# Altium PCB ctrl_boardV1.2.PcbDoc (part 1 of 3)
Units mm, origin at the board's own origin, x right, y up, seen from the top; angles counter-clockwise.
Board outline 212 x 85 mm, 2 copper layers (Top Layer, Bottom Layer); 255 components, 141 nets, 739 pads, 2246 vias.
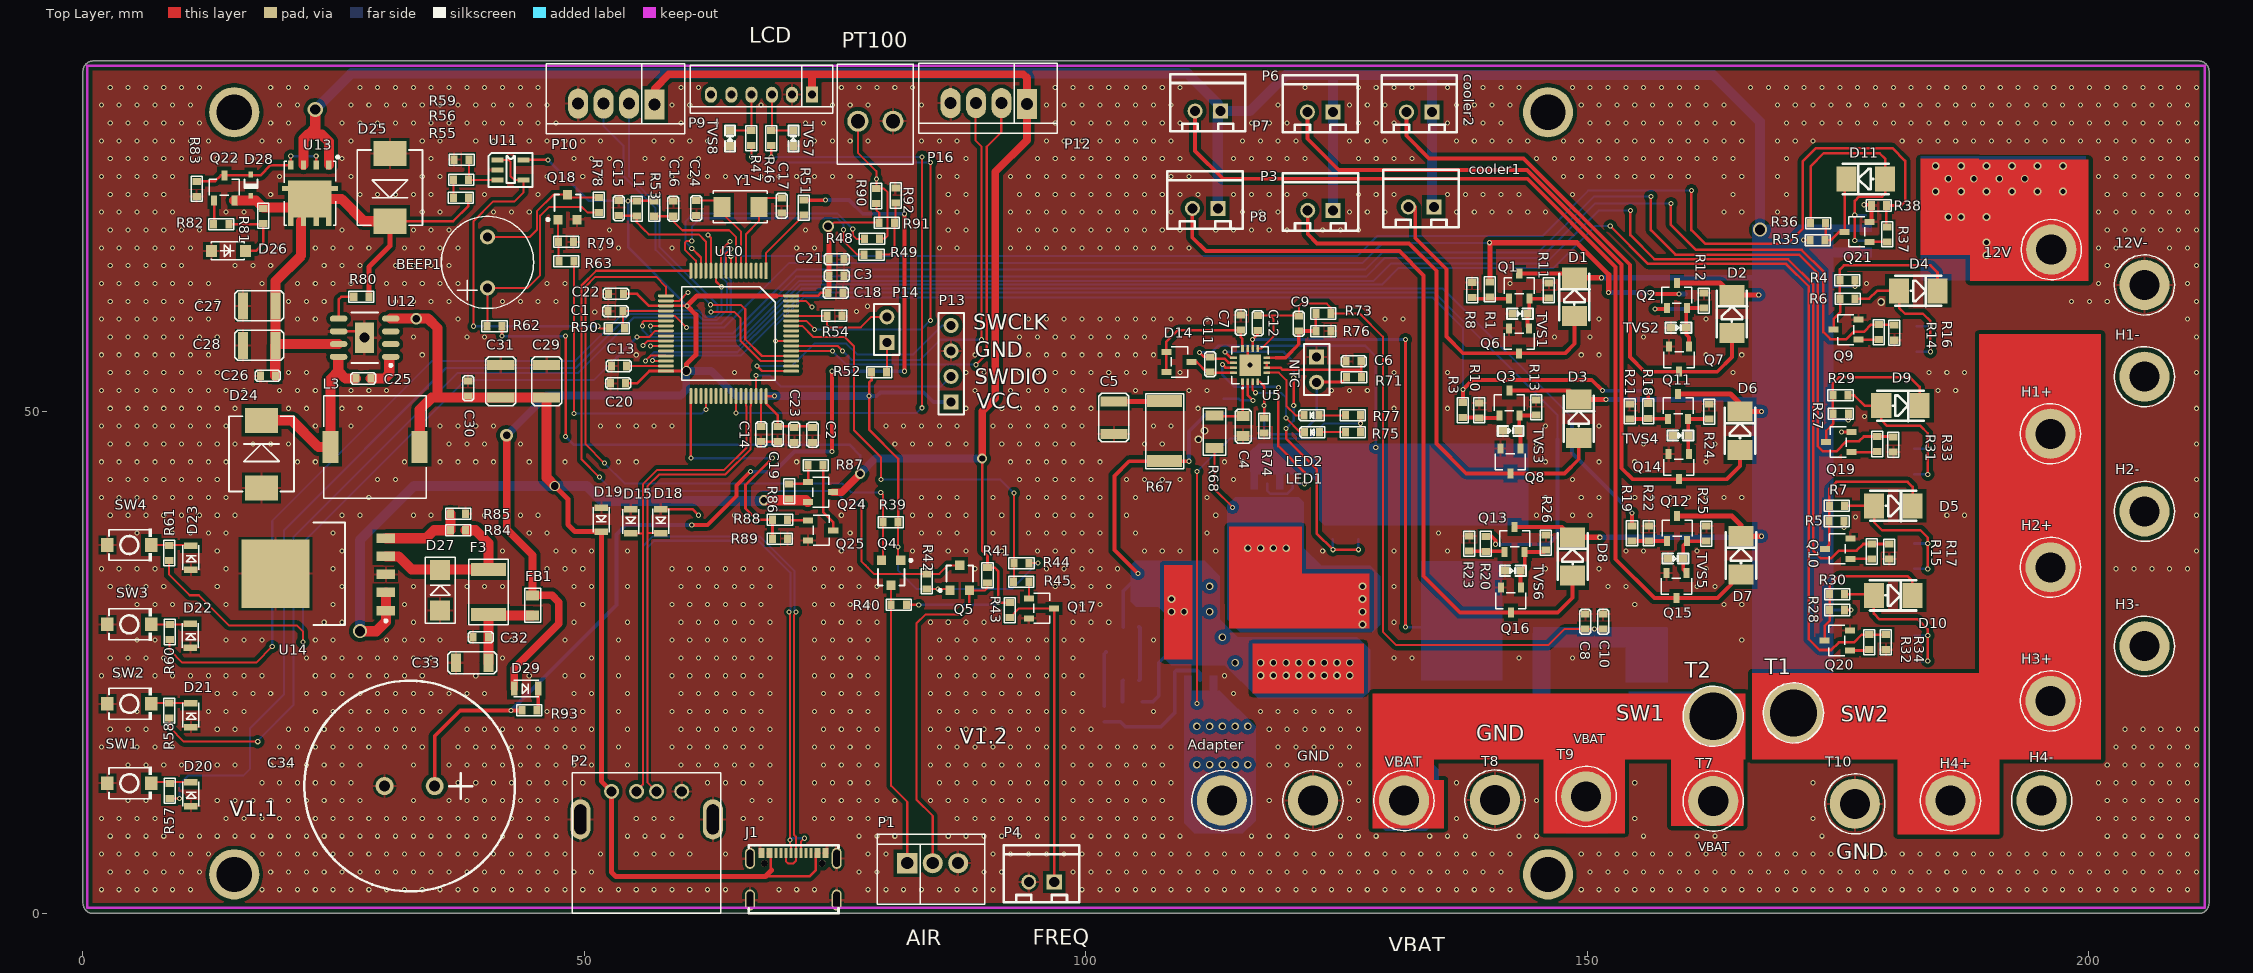
[diagram p0: Top Layer view]
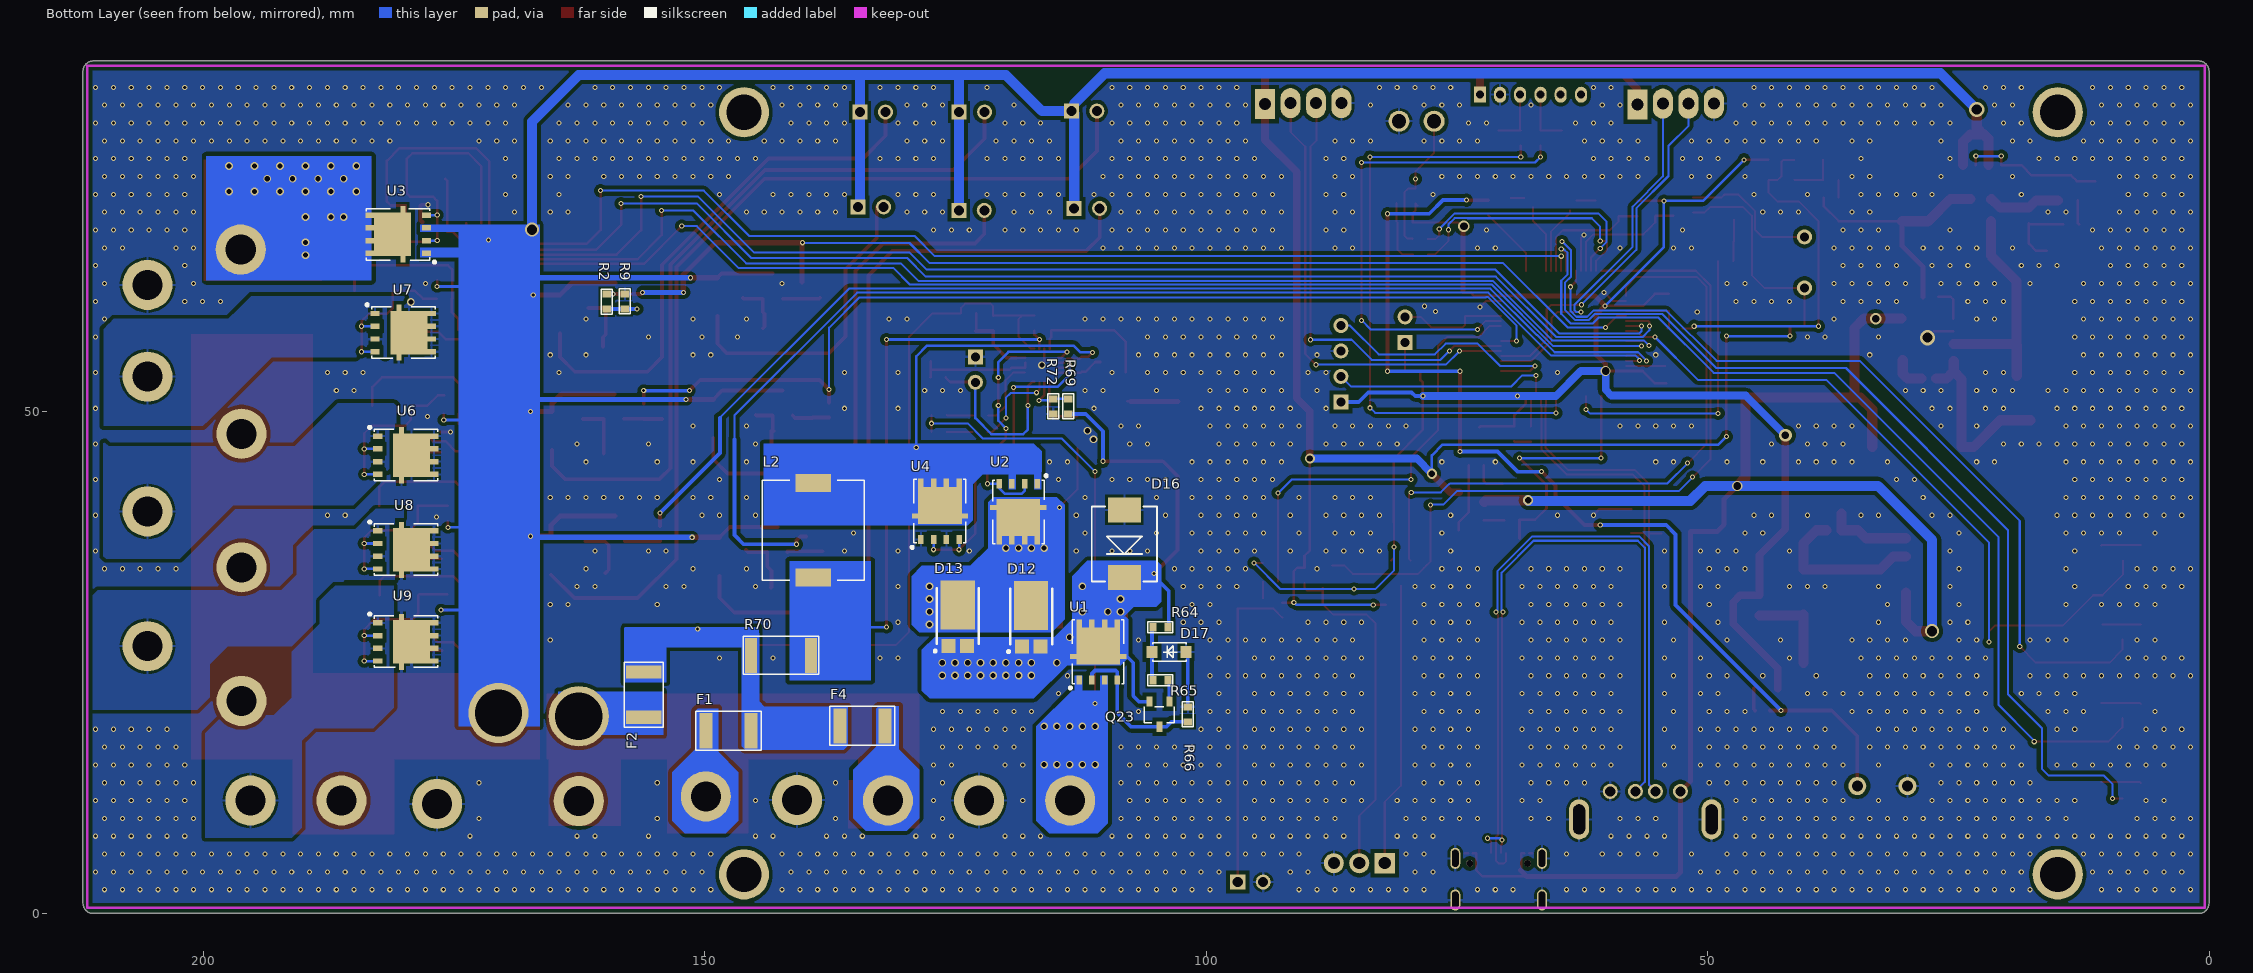
[diagram p1: Bottom Layer view, seen from below]

## Layer stack, top to bottom
Top Solder: solder mask 0.0102, Solder Resist, Dk 3.5
Top Layer: signal copper 0.0356
Dielectric1: dielectric 0.32, FR-4, Dk 4.8
Bottom Layer: signal copper 0.0356
Bottom Solder: solder mask 0.0102, Solder Resist, Dk 3.5

## Board outline
0,1 ccw(c1,1) 1,0 211,0 ccw(c211,1) 212,1 212,84 ccw(c211,84) 211,85 1,85 ccw(c1,84) 0,84

## Design rules (kind name [scope] priority, off if disabled: settings)
Clearance Clearance_2 [InNet('USB_P')] p1: gap=0.254 ignorepadtopadclearanceinfootprint=FALSE
Clearance Clearance_1 [InPolygon] p2: gap=0.381 ignorepadtopadclearanceinfootprint=FALSE
Clearance [All] p3: gap=0.127 ignorepadtopadclearanceinfootprint=FALSE
DiffPairsRouting [All] p1: maxlimit=1.27 minlimit=0.203 mostfreqgap=0.203 toplayer_minwidth=0.203 toplayer_maxwidth=0.381 toplayer_prefwidth=0.381 bottomlayer_minwidth=0.203 bottomlayer_maxwidth=0.381 bottomlayer_prefwidth=0.381 maxuncoupledlength=12.7
MinimumSolderMaskSliver [All] p1: minsoldermaskwidth=0.127
PolygonConnect PolygonConnect_1 [IsVia] p1: connectstyle=Direct reliefconductorwidth=0.254 reliefentries=4 polygonreliefangle="90 Angle" airgapwidth=0.254
PolygonConnect [All] p2: connectstyle=Relief reliefconductorwidth=0.254 reliefentries=4 polygonreliefangle="90 Angle" airgapwidth=0.254
RoutingVias [All] p1: holewidth=0.711 width=1.27 viastyle="Through Hole" minholewidth=0.305 minwidth=0.508 maxholewidth=0.711 maxwidth=1.27
SilkToSolderMaskClearance SilkscreenOverComponentPads [IsPad] p1: minsilkscreentomaskgap=0.025 clearancetoexposedcopper=TRUE
SolderMaskExpansion [All] p1: expansion=0.102 istentingtop=FALSE
Width [All] p1: maxlimit=5.08 minlimit=0.127 preferedwidth=0.254
27 further rules are at their usual default settings.

## Classes and differential pairs
component class charger: Adapter C4 C5 C6 C7 C8 C9 C10 C11 C12 D12 D13 D14 D16 D17 F1 F2 F4 GND L2 LED1 LED2 NTC Q23 R64 R65 R66 R67 R68 R69 R70 R71 R72 R73 R74 R75 R76 R77 SW1 T1 T7 T8 T9 T10 U1 U2 U4 U5 VBAT
component class charge_drv: 12V 12V- cooler1 cooler2 D1 D2 D3 D4 D5 D6 D7 D8 D9 D10 D11 H1+ H1- H2+ H2- H3+ H3- H4+ H4- P3 P6 P7 P8 Q1 Q2 Q3 Q6 Q7 Q8 Q9 Q10 Q11 Q12 Q13 Q14 Q15 Q16 Q19 Q20 Q21 R1 R2 R3 R4 R5 R6 R7 R8 R9 R10 R11 R12 R13 R14 R15 R16 R17 R18 R19 R20 R21 R22 R23 R24 R25 R26 R27 R28 R29 R30 R31 R32 R33 R34 R35 R36 R37 R38 TVS1 TVS2 TVS3 TVS4 TVS5 TVS6 U3 U6 U7 U8 U9
component class pt100: P16 R90 R91 R92
component class cpu: C1 C2 C3 C13 C14 C15 C16 C17 C18 C19 C20 C21 C22 C23 C24 C34 D20 D21 D22 D23 D29 FB1 L1 P13 P14 R48 R49 R50 R51 R52 R53 R54 R55 R56 R57 R58 R59 R60 R61 R93 SW1 SW2 SW3 SW4 U10 U11 Y1
component class drv: BEEP1 Q18 R62 R63 R78 R79
component class power: C25 C26 C27 C28 C29 C30 C31 C32 C33 D24 D25 D26 D27 D28 F3 L3 Q22 Q24 Q25 R80 R81 R82 R83 R84 R85 R86 R87 R88 R89 U12 U13 U14
component class connector: D15 D18 D19 J1 P1 P2 P4 P9 P10 P12 Q4 Q5 Q17 R39 R40 R41 R42 R43 R44 R45 R46 R47 TVS7 TVS8
differential pair USB: +USB_P -USB_N

## Components (designator, comment, footprint, x,y, rotation, side; value= is the part's Value field where it differs from the comment)
12V "12V" FIX-4.5#1 196.27,66.196 r0 top locked
12V- "12V-" FIX-4.5#1 205.566,62.666 r0 top locked
Adapter "12V" FIX-4.5#1 113.567,11.256 r0 top locked
BEEP1 "BEEP-9.5X5.5" BEEP-9.5X5.5 40.335,64.922 r90 top
C1 "0.1uF/50V/X5R" 0603C 52.349,60.046 r0 top
C2 "1uF/50V/X5R" 0603C 72.746,46.965 r90 top
C3 "0.1uF/50V/X5R" 0603C 75.895,63.602 r180 top
C4 "1uF/50V/X5R" 0805C 115.675,49.585 r270 top
C5 "2.2uF/25V" 1210C 102.798,51.058 r270 top
C6 "1uF/50V/X5R" 0603C 125.964,55.046 r0 top
C7 "1uF/50V/X5R" 0603C 115.447,58.17 r90 top
C8 "10uF/25V" 0603C 149.813,29.849 r270 top
C9 "22pF/50V" 0603C 121.238,58.068 r90 top
C10 "10uF/25V" 0603C 151.591,29.849 r270 top
C11 "0.1uF/50V/X5R" 0603C 112.424,55.503 r270 top
C12 "0.1uF/50V/X5R" 0603C 117.123,59.618 r270 top
C13 "0.1uF/50V/X5R" 0603C 52.68,54.585 r0 top
C14 "0.1uF/50V/X5R" 0603C 67.615,47.041 r90 top
C15 "0.1uF/50V/X5R" 0603C 53.416,71.069 r270 top
C16 "0.1uF/50V/X5R" 0603C 58.877,71.018 r270 top
C17 "12P 50V" 0603C 69.672,69.825 r90 top
C18 "1uF/50V/X5R" 0603C 75.794,61.9 r180 top
C19 "0.1uF/50V/X5R" 0603C 69.266,47.066 r90 top
C20 "1uF/50V/X5R" 0603C 52.603,52.857 r0 top
C21 "0.1uF/50V/X5R" 0603C 75.895,65.227 r180 top
C22 "1uF/50V/X5R" 0603C 52.4,61.773 r0 top
C23 "0.1uF/50V/X5R" 0603C 70.942,46.965 r90 top
C24 "12P 50V" 0603C 61.163,69.571 r90 top
C25 "0.01uF/50V" 0603C 27.203,53.34 r0 top
C26 "1uF/50V/X5R" 0603C 17.678,53.594 r0 top
C27 "47uF/25V" 1210C 19.202,60.579 r180 top
C28 "47uF/25V" 1210C 19.202,56.642 r180 top
C29 "22uF/10V" 1210C 46.228,51.435 r90 top
C30 "0.1uF/50V/X5R" 0603C 38.405,51.613 r90 top
C31 "22uF/10V" 1210C 41.656,51.435 r90 top
C32 "0.1uF/50V/X5R" 0603C 38.913,27.559 r0 top value=22nF
C33 "47uF/25V" 1206C 37.186,24.994 r0 top value=22nF
C34 "CEN5R5155CF-ZG" CAP-TH_BD21.0-P5.00-D0.8_CENXXX-CF 32.574,12.7 r180 top
cooler1 "ZX-XH2.54-2PZZ" SIP-2A 133.426,70.46 r180 top
cooler2 "ZX-XH2.54-2PZZ" SIP-2A 133.248,79.908 r180 top
D1 "1N4007" DO-214-AC 148.721,61.472 r90 top
D2 "1N4007" DO-214-AC 164.418,59.77 r90 top
D3 "1N4007" DO-214-AC 149.153,49.331 r90 top
D4 "1N4007" DO-214-AC 183.011,62.081 r0 top
D5 "1N4007" DO-214-AC 180.522,40.644 r0 top
D6 "1N4007" DO-214-AC 165.231,48.137 r90 top
D7 "1N4007" DO-214-AC 165.332,35.691 r90 top
D8 "1N4007" DO-214-AC 148.543,35.589 r90 top
D9 "1N4007" DO-214-AC 181.233,50.626 r0 top
D10 "1N4007" DO-214-AC 180.496,31.703 r0 top
D11 "1N4007" DO-214-AC 177.778,73.232 r180 top
D12 "PDS1040-13" POWERDI-5_L5.4-W4.0-LS6.5-RD 117.453,28.655 r270 bottom
D13 "PDS1040-13" POWERDI-5_L5.4-W4.0-LS6.5-RD 124.769,28.706 r270 bottom
D14 "bat54c" sot23-3 108.039,55.985 r180 top
D15 "CESDB5V0D3" SOD323 54.61,40.284 r270 top
D16 "SMCJ28CA" SMC 108.157,40.237 r270 bottom
D17 "BZT52C27" sod123 102.01,26.064 r0 bottom value=BZT52C12S-7-F
D18 "CESDB5V0D3" SOD323 57.633,40.31 r270 top
D19 "CESDB5V0D3" SOD323 51.689,40.462 r270 top
D20 "CESDB5V0D3" SOD323 10.767,10.701 r90 top
D21 "CESDB5V0D3" SOD323 10.767,18.575 r90 top
D22 "CESDB5V0D3" SOD323 10.716,26.499 r90 top
D23 "CESDB5V0D3" SOD323 10.767,34.272 r90 top
D24 "SS54" SMC 17.805,42.418 r90 top
D25 "SMCJ18CA" SMC 30.607,75.768 r270 top
D26 "BZT52C18" sod123 12.802,66.065 r0 top value=BZT52C12S-7-F
D27 "5.1V" SMA 35.611,30.226 r90 top
D28 "BZT52C12S" DIOD-SOD323-2_V 16.739,72.619 r270 top
D29 "1N4148WS" SOD323 43.002,22.428 r0 top
F1 "1812L300/16GR" 1812-F 149.889,18.216 r180 bottom
F2 "1812L300/16GR" 1812-F 156.083,19.558 r90 bottom
F3 "1812L200/16GR" 1812-F 40.437,34.29 r270 top
F4 "1812L300/16GR" 1812-F 132.033,18.698 r0 bottom
FB1 "JWWBW2012 M600HT" 0805CZ 44.831,29.718 r90 top
GND "GND" FIX-4.5#1 122.649,11.256 r0 top locked
H1+ "12V" FIX-4.5#1 196.193,47.824 r180 top locked
H1- "12V" FIX-4.5#1 205.566,53.522 r270 top locked
H2+ "12V" FIX-4.5#1 196.193,34.505 r270 top locked
H2- "12V" FIX-4.5#1 205.566,40.085 r270 top locked
H3+ "12V" FIX-4.5#1 196.193,21.187 r270 top locked
H3- "12V" FIX-4.5#1 205.566,26.648 r270 top locked
H4+ "12V" FIX-4.5#1 186.222,11.256 r270 top locked
H4- "12V" FIX-4.5#1 195.304,11.256 r270 top locked
J1 "TYPE C_16P" TYPEC_16P 70.841,1.727 r0 top
L1 "MPZ1608D101BTA00" 0603R 55.22,69.52 r90 top
L2 "SMMS1040-3R3M" MSS1038 139.17,42.904 r270 bottom
L3 "CDRH105NP-100NC" CDRH105 24.028,41.402 r90 top
LED1 "发光二极管" 0603LED 123.307,47.99 r180 top
LED2 "发光二极管" 0603LED 123.256,49.666 r180 top
NTC "NCP18XH103F03RB" HDR1X2 123.016,55.503 r270 top
P1 "XH-3A" 3X2.54MMZ 82.194,5.004 r0 top
P2 "USB-A" USB-A 52.706,12.173 r0 top
P3 "ZX-XH2.54-2PZZ" SIP-2A 123.397,70.108 r180 top
P4 "ZX-XH2.54-2PZZ" SIP-2A 95.58,3.124 r180 top
P6 "ZX-XH2.54-2PZZ" SIP-2A 123.368,79.908 r180 top
P7 "ZX-XH2.54-2PZZ" SIP-2A 112.166,80.01 r180 top
P8 "ZX-XH2.54-2PZZ" SIP-2A 111.887,70.307 r180 top
P9 "2.0-6P ZZDK" 6X2MMZ 72.695,81.636 r180 top
P10 "ZX-XH2.54-5PZZ" 4X2.54MMZ 56.998,80.645 r180 top
P12 "ZX-XH2.54-5PZZ" 4X2.54MMZ 94.132,80.696 r180 top
P13 "KH-2.54PH180-1X5P-L11.5" HDR1X4 86.563,51.003 r90 top
P14 "PZ254V-11-02P" HDR1X2 80.162,56.947 r90 top
P16 "KF250NH-3.5-2P" KF250NH-3.5-2P 80.772,78.994 r180 top value="Header 2"
Q1 "BC817-16" SOT23-3 142.218,61.294 r270 top
Q2 "BC817-16" SOT23-3 157.941,60.354 r270 top
Q3 "BC817-16" SOT23-3 141.228,49.635 r270 top
Q4 "AO3400" SOT-23 80.594,33.96 r180 top
Q5 "AO3400" SOT-23 87.427,33.452 r0 top
Q6 "AO3400" SOT23-3 144.2,58.348 r90 top
Q7 "AO3400" SOT23-3 160.151,56.519 r90 top
Q8 "AO3400" SOT23-3 143.336,46.359 r90 top
Q9 "S8050" SOT23-3 177.067,57.205 r0 top
Q10 "S8050" SOT23-3 176.229,35.361 r0 top
Q11 "BC817-16" SOT23-3 158.068,49.305 r270 top
Q12 "BC817-16" SOT23-3 157.966,37.113 r270 top
Q13 "BC817-16" SOT23-3 141.761,36.046 r270 top
Q14 "AO3400" SOT23-3 160.125,45.8 r90 top
Q15 "AO3400" SOT23-3 159.897,33.938 r90 top
Q16 "AO3400" SOT23-3 143.387,32.49 r90 top
Q17 "AO3400" SOT23-3 94.31,31.42 r180 top
Q18 "LH8050QLT1G" SOT-23 48.311,70.434 r0 top
Q19 "S8050" SOT23-3 176.331,46.003 r0 top
Q20 "S8050" SOT23-3 176.178,26.217 r0 top
Q21 "S8050" SOT23-3 178.159,66.958 r0 top
Q22 "MMBT4403-7-F" SOT23-3 13.088,71.095 r270 top
Q23 "MMBT4403-7-F" SOT23-3 103.661,21.111 r90 bottom
Q24 "SI2301" SOT23-3 72.288,43.002 r180 top
Q25 "S8050" SOT23-3 72.314,39.192 r180 top
R1 "100" 0603R 140.288,61.472 r90 top
R2 "100" 0603R 159.77,60.251 r90 bottom
R3 "100" 0603R 137.604,49.44 r90 top
R4 "10K" 0603R 175.188,63.148 r0 top
R5 "10K" 0603R 174.121,39.12 r0 top
R6 "100" 0603R 175.213,61.294 r0 top
R7 "100" 0603R 174.146,40.644 r0 top
R8 "10K" 0603R 138.51,62.894 r270 top
R9 "10K" 0603R 157.966,61.778 r270 bottom
R10 "10K" 0603R 139.23,50.913 r270 top
R11 "10K" 0603R 146.181,61.37 r90 top
R12 "10K" 0603R 161.624,60.354 r90 top
R13 "10K" 0603R 144.911,49.712 r90 top
R14 "1k/1%" 0603R 179.074,57.205 r90 top
R15 "1k/1%" 0603R 178.388,35.335 r90 top
R16 "1k/1%" 0603R 180.623,58.652 r270 top
R17 "1k/1%" 0603R 180.115,36.834 r270 top
R18 "100" 0603R 156.087,49.331 r90 top
R19 "100" 0603R 154.461,37.139 r90 top
R20 "100" 0603R 139.882,36.097 r90 top
R21 "10K" 0603R 154.233,50.804 r270 top
R22 "10K" 0603R 156.138,38.637 r270 top
R23 "10K" 0603R 138.256,37.621 r270 top
R24 "10K" 0603R 162.157,49.28 r90 top
R25 "10K" 0603R 161.878,37.113 r90 top
R26 "10K" 0603R 145.876,36.224 r90 top
R27 "10K" 0603R 174.527,49.839 r0 top
R28 "10K" 0603R 174.172,30.255 r0 top
R29 "100" 0603R 174.502,51.667 r0 top
R30 "100" 0603R 174.172,31.805 r0 top
R31 "1k/1%" 0603R 178.896,46.054 r90 top
R32 "1k/1%" 0603R 178.109,26.293 r90 top
R33 "1k/1%" 0603R 180.522,47.502 r270 top
R34 "1k/1%" 0603R 179.785,27.791 r270 top
R35 "10K" 0603R 173.714,67.136 r180 top
R36 "100" 0603R 173.765,68.838 r180 top
R37 "1k/1%" 0603R 179.912,66.958 r90 top
R38 "10K" 0603R 179.836,70.59 r180 top
R39 "10K" 0603r 79.781,38.989 r0 top
R40 "10K" 0603r 80.594,30.759 r0 top
R41 "10K" 0603r 90.195,32.969 r90 top
R42 "10K" 0603r 84.15,32.36 r90 top
R43 "10K" 0603R 92.405,29.489 r90 top
R44 "1k/1%" 0603R 94.336,34.925 r180 top
R45 "1k/1%" 0603R 94.31,33.071 r180 top
R46 "100" 0603R 68.631,78.054 r270 top
R47 "100" 0603R 66.65,78.054 r270 top
R48 "49.9" 0603R 79.426,67.259 r180 top
R49 "49.9" 0603R 79.375,65.684 r180 top
R50 "49.9" 0603R 52.476,58.344 r0 top
R51 "0" 0603R 71.882,71.12 r270 top
R52 "10K" 0603R 80.137,53.975 r180 top
R53 "10K" 0603R 56.972,71.018 r270 top
R54 "10K" 0603R 74.168,59.588 r0 top
R55 "100K/1%" 0603R 38.43,71.374 r180 top
R56 "100K/1%" 0603R 36.957,73.152 r0 top
R57 "1k/1%" 0603R 8.633,12.961 r270 top value=1K
R58 "1k/1%" 0603R 8.608,20.975 r270 top value=1K
R59 "20K" 0603R 38.506,75.159 r180 top
R60 "1k/1%" 0603R 8.633,28.811 r270 top value=1K
R61 "1k/1%" 0603R 8.582,36.685 r270 top value=1K
R62 "51R" 0603R 40.284,58.547 r0 top
R63 "4.7K" 0603R 48.946,65.049 r180 top
R64 "100K/1%" 0603R 105.312,28.553 r180 bottom value=100k
R65 "1k/1%" 0603R 105.312,23.245 r180 bottom
R66 "10k" 0603R 101.832,19.105 r90 bottom
R67 "2/1W" 2512R 107.852,45.089 r90 top
R68 "10/1/4W" 1206R 112.831,46.41 r90 top
R69 "215k/1%" 0603R 113.762,49.802 r90 bottom
R70 "5mR" 2512R 139.399,25.734 r0 bottom
R71 "5.23K/1%" 0603R 127.488,53.445 r180 top
R72 "11.8K/1%/25.5K/1%" 0603R 115.269,51.312 r270 bottom
R73 "698K/1%" 0603R 124.438,59.821 r180 top
R74 "30.1K/1%" 0603R 117.784,49.381 r270 top
R75 "1k/1%" 0603R 125.872,47.99 r0 top
R76 "100K/1%" 0603R 122.94,58.059 r0 top
R77 "1k/1%" 0603R 125.886,49.686 r0 top
R78 "1k/1%" 0603R 51.435,71.399 r270 top
R79 "47K" 0603R 47.422,66.954 r0 top
R80 "100K/1%" 0603R 27,61.468 r0 top
R81 "100K/1%" 0603R 17.958,68.809 r90 top value=100k
R82 "1k/1%" 0603R 14.538,68.707 r180 top
R83 "10k" 0603R 11.328,72.999 r270 top
R84 "120K/1%" 0603R 38.151,38.202 r180 top
R85 "71.5K/1%" 0603R 38.151,39.853 r180 top
R86 "100K/1%" 0603R 70.409,42.824 r270 top
R87 "1k/1%" 0603R 73.812,44.679 r180 top
R88 "1k/1%" 0603R 70.256,39.268 r180 top
R89 "10K" 0603R 68.732,37.363 r0 top
R90 "2K/1%" 0603R 79.121,72.288 r270 top
R91 "2K/1%" 0603R 80.899,68.885 r180 top
R92 "75" 0603R 81.026,72.339 r270 top
R93 "1k/1%" 0603R 45.263,20.244 r180 top value=49.9
SW1 "SW PUSHBUTTON" SW-SMD_L3.9-W3.0-P4.45 4.62,12.987 r0 top
SW2 "SW PUSHBUTTON" SW-SMD_L3.9-W3.0-P4.45 4.62,20.903 r0 top
SW3 "SW PUSHBUTTON" SW-SMD_L3.9-W3.0-P4.45 4.62,28.819 r0 top
SW4 "SW PUSHBUTTON" SW-SMD_L3.9-W3.0-P4.45 4.62,36.736 r0 top
T1 "12V" FIX-4.5#2 170.561,19.99 r0 top
T2 "12V" FIX-4.5#2 162.56,19.66 r0 top
T7 "12V" FIX-4.5#1 162.56,11.201 r0 top
T8 "GND" FIX-4.5#1 140.796,11.307 r0 top
T9 "12V" FIX-4.5#1 149.889,11.662 r0 top
T10 "GND" FIX-4.5#1 176.682,10.922 r0 top
TVS1 "ESD5Z5.0CT1G" SOD-523 143.285,59.795 r0 top
TVS2 "ESD5Z5.0CT1G" SOD-523 159.109,58.398 r0 top
TVS3 "ESD5Z5.0CT1G" SOD-523 142.371,48.111 r0 top
TVS4 "ESD5Z5.0CT1G" SOD-523 159.313,47.654 r0 top
TVS5 "ESD5Z5.0CT1G" SOD-523 158.805,35.386 r0 top
TVS6 "ESD5Z5.0CT1G" SOD-523 142.574,34.167 r0 top
TVS7 "ESD5Z5.0CT1G" SOD-523 70.841,77.292 r90 top
TVS8 "ESD5Z5.0CT1G" SOD-523 64.516,77.292 r90 top
U1 "Si7997DP" "PowerPAK SO-8" 113.339,22.33 r90 bottom
U2 "Si7288DP" "PowerPAK SO-8" 116.158,43.793 r270 bottom
U3 "Si7997DP" "PowerPAK SO-8" 176.813,65.155 r0 bottom
U4 "Si7288DP" "PowerPAK SO-8" 129.112,36.351 r90 bottom
U5 "BQ24650RVAR" VQFN-16_L3.6-W3.6-P0.50-BL-EP 116.387,54.665 r0 top
U6 "Si7997DP" "PowerPAK SO-8" 183.557,48.259 r180 bottom
U7 "Si7997DP" "PowerPAK SO-8" 183.811,60.487 r180 bottom
U8 "Si7997DP" "PowerPAK SO-8" 183.557,38.825 r180 bottom
U9 "Si7997DP" "PowerPAK SO-8" 183.557,29.646 r180 bottom
U10 "STM32F405RGT6" LQFP-64 68.123,64.084 r270 top
U11 "AD8615AUJZ-R2" sot-23-5 42.647,74.143 r0 top
U12 "LM22676MRE-5.0/NOPB" SOP127P600X168_HS-8N 28.092,57.404 r180 top
U13 "Si7997DP" "PowerPAK SO-8" 25.197,75.565 r270 top
U14 "MIC29302" TO228P1435X457-6N 30.201,30.201 r180 top
VBAT "12V" FIX-4.5#1 131.731,11.256 r180 top locked
Y1 "XG1SI-111-8M" CRAY_5032 63.703,70.46 r0 top

## Footprints (in the part's own frame and the unit in brackets; to place one, negate y for a bottom-side part, rotate by r counter-clockwise, add the part's x,y. Pads: shape width x height; smd on the part's side, far side on the other; paste and mask are expansions set on the pad)
3X2.54MMZ [mm]
  rect 2x2 hole 1.2: 1(0,0)
  round 2 hole 1.2: 2(2.54,0) 3(5.08,0)
  silkscreen extent -3,-4.1 7.75,2.9
4X2.54MMZ [mm]
  rect 2x3 hole 1.2: 1(0,0)
  oval 2x3 hole 1.2: 2(2.54,-0.1) 3(5.08,-0.1) 4(7.62,-0.1)
  silkscreen extent -3,-4.1 10.79,2.9
6X2MMZ [mm]
  rect 1.2x1.6 hole 0.8: 1(0,0)
  oval 1.2x1.6 hole 0.8: 2(2,0) 3(4,0) 4(6.05,0) 5(8.05,0) 6(10.08,0)
  silkscreen extent -2.05,-2.95 12.12,1.85
0603C [mm]
  rect 0.7x0.85 smd: 1(0,0) 2(1.5,0)
  silkscreen extent -0.5,-0.55 2,0.55
0603LED [mm]
  rect 0.7x0.85 smd: 1(0,0) 2(1.5,0)
  silkscreen extent -0.5,-0.55 2,0.55
0603R [mm]
  rect 0.7x0.85 smd: 1(0,0) 2(1.5,0)
  silkscreen extent -0.5,-0.55 2,0.55
0603r [mm]
  rect 0.7x0.85 smd: 1(0,0) 2(1.5,0)
  silkscreen extent -0.5,-0.55 2,0.55
0805C [mm]
  rect 1x1.3 smd: 1(0,0) 2(2,0)
  silkscreen extent -0.7,-0.8 2.7,0.8
0805CZ [mm]
  rect 1x1.3 smd: 1(0,0) 2(2,0)
  silkscreen extent -0.7,-0.8 2.7,0.8
1206C [mm]
  rect 1x1.8 smd: 1(0,0) 2(3.25,0)
  silkscreen extent -0.8,-1.1 4.05,1.1
1206R [mm]
  rect 1x1.8 smd: 1(0,0) 2(3.25,0)
  silkscreen extent -0.7,-1.1 3.95,1.1
1210C [mm]
  rect 1x2.7 smd: 1(0,0) 2(3.25,0)
  silkscreen extent -0.8,-1.5 4.05,1.5
1812-F [mm]
  rect 1.3x3.5 smd: 1(0,0) 2(4.5,0)
  silkscreen extent -1,-1.95 5.5,1.95
2512R [mm]
  rect 1.2x3.5 smd: 1(0,0) 2(6,0)
  silkscreen extent -0.75,-1.9 6.75,1.9
BEEP-9.5X5.5 [mm]
  round 1.5 hole 0.9: 1(-2.54,0) 2(2.54,0)
  silkscreen extent -4.6,-4.6 4.6,4.6
CAP-TH_BD21.0-P5.00-D0.8_CENXXX-CF [mm]
  round 1.8 hole 1.1 paste-2539.97 mask+0.05: 1(-2.5,0) 2(2.5,0)
  silkscreen extent -10.5,-10.5 10.5,10.5
CDRH105 [mm]
  rect 3.2x1.6 smd: 1(5.1,-0.65) 2(5.1,-9.55)
  silkscreen extent 0,-10.2 10.2,0
CRAY_5032 [mm]
  rect 1.7x2 smd: 1(0,0) 2(3.7,0)
  silkscreen extent -0.86,-1.6 4.55,1.6
DIOD-SOD323-2_V [mm] "SOD-323, 2-Leads, Body 1.7x1.3mm, Lead Span 2.5mm"
  rect 0.59x0.45 smd: 1(-1.055,0) 2(1.055,0)
  silkscreen extent -0.56,-0.65 0.26,0.65, body extent -1.21,-0.65 1.31,0.65, height 1.13
DO-214-AC [mm]
  rect 2x2.5 smd: 1(-1.915,0) 2(1.915,0)
  silkscreen extent -2.3,-1.52 2.3,1.5, body extent -2.3,-1.35 2.3,1.35, height 2.4
FIX-4.5#1 [mm]
  round 5 hole 3: 1(0,0)
  silkscreen extent -3,-3 3,3
FIX-4.5#2 [mm]
  round 6 hole 4.7: 1(0,0)
  silkscreen extent -3,-3 3,3
HDR1X2 [mm] "Connector; Header; 2 Position"
  rect 1.5x1.5 hole 0.9: 1(0,0)
  round 1.5 hole 0.9: 2(2.54,0)
  silkscreen extent -1.27,-1.27 3.81,1.27
HDR1X4 [mm] "Connector; Header; 4 Position"
  rect 1.5x1.5 hole 0.9: 1(0,0)
  round 1.5 hole 0.9: 2(2.54,0) 3(5.08,0) 4(7.62,0)
  silkscreen extent -1.27,-1.27 8.89,1.27
KF250NH-3.5-2P [mm]
  round 2.1 hole 1.41: 1(0,0) 2(3.5,0)
  silkscreen extent -2.05,-5.71 5.55,4.3
LQFP-64 [mm]
  rect 1.6x0.3 smd: 1(0,0)
  oval 1.6x0.3 smd: 2(0,-0.5) 3(0,-1) 4(0,-1.5) 5(0,-2) 6(0,-2.5) 7(0,-3) 8(0,-3.5) 9(0,-4) 10(0,-4.5) 11(0,-5) 12(0,-5.5) 13(0,-6) 14(0,-6.5) 15(0,-7) 16(0,-7.5) 33(12.5,-7.5) 34(12.5,-7) 35(12.5,-6.5) 36(12.5,-6) 37(12.5,-5.5) 38(12.5,-5) 39(12.5,-4.5) 40(12.5,-4) 41(12.5,-3.5) 42(12.5,-3) 43(12.5,-2.5) 44(12.5,-2) 45(12.5,-1.5) 46(12.5,-1) 47(12.5,-0.5) 48(12.5,0)
  oval 0.3x1.6 smd: 17(2.5,-10) 18(3,-10) 19(3.5,-10) 20(4,-10) 21(4.5,-10) 22(5,-10) 23(5.5,-10) 24(6,-10) 25(6.5,-10) 26(7,-10) 27(7.5,-10) 28(8,-10) 29(8.5,-10) 30(9,-10) 31(9.5,-10) 32(10,-10) 49(10,2.5) 50(9.5,2.5) 51(9,2.5) 52(8.5,2.5) 53(8,2.5) 54(7.5,2.5) 55(7,2.5) 56(6.5,2.5) 57(6,2.5) 58(5.5,2.5) 59(5,2.5) 60(4.5,2.5) 61(4,2.5) 62(3.5,2.5) 63(3,2.5) 64(2.5,2.5)
  silkscreen extent 1.59,-8.41 10.91,0.91
MSS1038 [mm]
  rect 1.78x3.56 smd: 1(0,0) 2(9.4,0)
  silkscreen extent -0.3,-5.11 9.7,5.09
POWERDI-5_L5.4-W4.0-LS6.5-RD [mm]
  rect 1.4x1.4 smd: 1(2.032,-0.92) 2(2.032,0.92)
  rect 4.9x3.4 smd: 3(-2.032,0)
  silkscreen extent -3.7,-2.37 2.67,2.1
"PowerPAK SO-8" [mm]
  rect 0.9x0.54 smd: 1(0.95,-0.67) 2(0.95,-1.94) 3(0.95,-3.21) 4(0.95,-4.48) 5(6.548,-4.48) 6(6.548,-3.21) 7(6.548,-1.94) 8(6.548,-0.67)
  rect 0.5x1.6 smd: 5(3.3,-4.575) 8(3.3,-0.575)
  rect 3.66x2.5 smd: 5(4.325,-3.495)
  rect 3.66x2 smd: 8(4.325,-1.401)
  silkscreen extent 0.03,-5.12 6.93,0.33
SIP-2A [mm]
  rect 1.5x1.5 hole 1: 1(-1.27,0)
  round 1.5 hole 1: 2(1.27,0)
  silkscreen extent -3.75,-3.68 3.75,2.02, body extent -3.7,-3.81 3.7,2.29, height 7.5
SMA [mm]
  rect 2x2 smd: 1(0,0) 2(4,0)
  silkscreen extent -1.3,-1.5 5.3,1.5
SMC [mm]
  rect 2.5x3.3 smd: 1(0,0) 2(6.75,0)
  silkscreen extent -0.35,-3.25 7.15,3.25
sod123 [mm]
  rect 1.1x1.2 smd: 1(0,0) 2(3.385,0)
  silkscreen extent 0,-0.9 3.3,0.9
SOD323 [mm]
  rect 0.65x1.35 smd: 1(0,0) 2(2.4,0)
  silkscreen extent -0.03,-0.8 2.44,0.8
SOD-523 [mil]
  rect 31.5x30 smd: 1(-30,0) 2(30,0)
  silkscreen extent -51,-20 51,20, body extent -31,-16 31,16, height 26
SOP127P600X168_HS-8N [mm] "SOP, 8-Leads, Body 5.0x4.0mm (max), Pitch 1.27mm, IPC Medium Density"
  oval 1.75x0.6 smd: 1(-2.6,1.905) 2(-2.6,0.635) 3(-2.6,-0.635) 4(-2.6,-1.905) 5(2.6,-1.905) 6(2.6,-0.635) 7(2.6,0.635) 8(2.6,1.905)
  rect 1.9x3 smd: 9(0,0)
  silkscreen extent -2.73,-2.5 1.33,2.88, body extent -2,-2.5 2,2.5, height 1.68
sot23-3 [mm]
  rect 1x0.6 smd: 1(0,0) 2(0,2) 3(-2.5,1)
  silkscreen extent -2.1,-0.5 -0.5,2.5
SOT23-3 [mm]
  rect 1x0.6 smd: 1(0,0) 2(0,2) 3(-2.5,1)
  silkscreen extent -2.1,-0.5 -0.5,2.5
SOT-23 [mm] "SOT-23; 3 Leads; Body 3.0 x 2.6 mm, inc. leads (LxW max)"
  rect 0.9x0.95 smd: 1(-0.95,-1.25) 2(0.95,-1.25) 3(0,1.25)
  silkscreen extent -2.08,-1.37 1.3,1.25
sot-23-5 [mm]
  rect 1.2x0.5 smd: 1(-1.3,1) 2(-1.3,0) 3(-1.3,-1) 4(1.3,-1) 5(1.3,1)
  silkscreen extent -2.2,-1.7 2.2,1.7
SW-SMD_L3.9-W3.0-P4.45 [mm]
  rect 1.23x1.36 smd: 1(-2.185,0) 2(2.185,0)
  silkscreen extent -2.03,-1.62 2.25,1.62
TO228P1435X457-6N [mm] "D2-PAK, 6-Pads, Body 8.6x10.2mm (max), IPC Medium Density"
  rect 1.85x0.95 smd: 1(0,0) 2(0,-1.8) 3(0,-3.6) 4(0,-5.4) 5(0,-7.2)
  rect 6.8x6.8 smd: 6(11,-3.671)
  silkscreen extent -0.13,-8.77 7.2,1.43, body extent 4.2,-8.77 12.84,1.43, height 4.57
TYPEC_16P [mm]
  oval 1x2.1 hole 0.65 slot 1.7 at 90 deg: 1(-4.32,-0.391) 1(-4.32,3.759) 1(4.32,-0.391) 1(4.32,3.759)
  round 0.67 hole 0.67: 2(-2.89,3.259) 2(2.89,3.259)
  rect 0.3x1 smd: A1(-3.05,4.293) A4(-2.25,4.293) A5(-1.25,4.293) A6(-0.25,4.293) A7(0.25,4.293) A8(1.25,4.293) A9(2.25,4.293) A12(3.35,4.293) B1(3.05,4.293) B4(2.55,4.293) B5(1.75,4.293) B6(0.75,4.293) B7(-0.75,4.293) B8(-1.75,4.293) B9(-2.55,4.293) B12(-3.35,4.293)
  silkscreen extent -4.44,-1.73 4.49,5.07
USB-A [mm]
  round 1.5 hole 1: 1(0,0) 2(2.5,0) 3(4.5,0) 4(7,0)
  oval 2x4 hole 1.2 slot 3 at 90 deg: 5(-3.1,-2.8) 6(10.1,-2.8)
  silkscreen extent -3.91,-12.17 10.89,1.83
VQFN-16_L3.6-W3.6-P0.50-BL-EP [mm]
  rect 0.28x0.665 smd: 1(-0.75,-1.658) 2(-0.25,-1.658) 3(0.25,-1.658) 4(0.75,-1.658) 9(0.75,1.658) 10(0.25,1.658) 11(-0.25,1.658) 12(-0.75,1.658)
  rect 0.665x0.28 smd: 5(1.658,-0.75) 6(1.658,-0.25) 7(1.658,0.25) 8(1.658,0.75) 13(-1.658,0.75) 14(-1.658,0.25) 15(-1.658,-0.25) 16(-1.658,-0.75)
  rect 2.14x2.14 smd: 17(0,0)
  silkscreen extent -1.83,-2.36 1.83,1.83

## Part data
12V 12V- Adapter GND H1+ H1- H2+ H2- H3+ H3- H4+ H4- T1 T2 T7 T8 T9 T10 VBAT: library part TP
C1 C2 C3 C13 C14 C15 C16 C17 C18 C19 C20 C21 C22 C23 C24: library part CAP4, "贴片电容 20%"
C4 C5 C6 C7 C8 C9 C10 C11 C12 C25 C26 C27 C28 C29 C30 C31: library part CAP, "Capacitor"
C32 C33: library part Cap, "Capacitor", LatestRevisionDate=17-Jul-2002, LatestRevisionNote="Re-released for DXP Platform.", PackageDescription="Radial Cap, Thru-Hole; 2 Leads; 0.3 in Pin Spacing", PackageReference=RAD-0.3, Published=8-Jun-2000, Publisher="Altium Limited"
C34: library part CAP2, "电解电容"
cooler1 cooler2 P3 P4 P6 P7 P8: library part SIP-2, "XH2.54 2P 立贴"
D1 D2 D3 D4 D5 D6 D7 D8 D9 D10 D11: library part DIODE2, "贴片二极管"
D12 D13: Average Rectified Current (Io)=10A, Forward Voltage (Vf@If)=510mV@10A, JLCPCB Part Class="Extended Part", LCSC Part Name="电压:40V 电流:10A", Manufacturer=DIODES(美台), Reverse Voltage (Vr)=40V, Add into BOM=yes, Convert to PCB=yes, Datasheet=https://atta.szlcsc.com/upload/public/pdf/source/20170427/1493286399327.pdf, Device=PDS1040-13, Manufacturer Part=PDS1040-13, Supplier=LCSC, Supplier Footprint=Power-DI-5, Supplier Part=C110512, Symbol=PDS1040-13
D14: library part PDS1040-13, Average Rectified Current (Io)=10A, Forward Voltage (Vf@If)=510mV@10A, JLCPCB Part Class="Extended Part", LCSC Part Name="电压:40V 电流:10A", Manufacturer=DIODES(美台), Reverse Voltage (Vr)=40V, Add into BOM=yes, Convert to PCB=yes, Datasheet=https://atta.szlcsc.com/upload/public/pdf/source/20170427/1493286399327.pdf, Device=PDS1040-13, Manufacturer Part=PDS1040-13, Supplier=LCSC, Supplier Footprint=Power-DI-5, Supplier Part=C110512, Symbol=PDS1040-13
D15 D16 D18 D19 D20 D21 D22 D23 D24 D25 D27: library part "DIODE S", "Schottky Diode"
D17 D26: library part BZT52C12S-7-F, Minimum Operating Temperature=-65C, Package / Case=SOD-323, Package Description="2-Pin Surface Mount Device, Body 1.7 x 1.3 mm", Package Reference=SOD323-2, Pd - Power Dissipation=200mW, Voltage Temperature Coefficient=0.25mV/C, Voltage Tolerance=5%, Vz - Zener Voltage=12V, Zener Current=5mA, Mounting Style=SMD/SMT, Mounting Technology=SurfaceMount, Package URL=http://www.vishay.com/docs/71192/71192.pdf, Packaging=Reel, Product Category=ZenerDiodes, RoHS=True, Series=BZT52C12, Termination Style=SMD/SMT, Unit Weight=0.000173oz, Width=1.4mm, Zz - Zener Impedance=40Ohms
D28: library part BZT52C12S-7-F, "Surface Mount Zener Diode, 12 V, -65 to 150 degC, 2-Pin SOD323, RoHS, Tape and Reel", Manufacturer=DiodesIncorporated, Voltage Temperature Coefficient=0.25mV/C, Voltage Tolerance=5%, Vz - Zener Voltage=12V, Zener Current=5mA, Width=1.4mm, Zz - Zener Impedance=40Ohms
D29: library part DIODE
F1 F2 F3 F4: library part "Fuse 1", "Fuse", LatestRevisionDate=17-Jul-2002, LatestRevisionNote="Re-released for DXP Platform.", PackageDescription="Thru-Hole; 2 Leads", PackageReference=PIN-W2/E2.8, Published=8-Jun-2000, Publisher="Altium Limited"
FB1: library part FB, Part Field 1="磁珠/0603/1K ohm/100MHz", Text Field1=FB
L1: library part CIZHU1, "磁珠电感 100R 100MHz"
L2 L3: library part INDUCTOR
LED1 LED2: library part LED
NTC: library part "Header 2", "XH2.54 2P 立贴", LatestRevisionDate=17-Jul-2002, LatestRevisionNote="Re-released for DXP Platform.", Publisher="Altium Limited"
P1: library part "Header 3", "Header, 3-Pin", LatestRevisionDate=17-Jul-2002, LatestRevisionNote="Re-released for DXP Platform.", Publisher="Altium Limited"
P2 P9: library part "Header 6", "Header, 6-Pin", LatestRevisionDate=17-Jul-2002, LatestRevisionNote="Re-released for DXP Platform.", Publisher="Altium Limited"
P10 P12 P13: library part "Header 4", "Header, 4-Pin", LatestRevisionDate=17-Jul-2002, LatestRevisionNote="Re-released for DXP Platform.", Publisher="Altium Limited"
P14: library part "Header 2", "Header, 2-Pin", LatestRevisionDate=17-Jul-2002, LatestRevisionNote="Re-released for DXP Platform.", Publisher="Altium Limited"
P16: library part "Header 2", Publisher="Altium Limited"
Q1 Q2 Q3 Q11 Q12 Q13: library part NPN-1, "三极管"
Q4 Q5 Q17 Q18: library part NPN-1, "NPN"
Q6 Q7 Q8 Q14 Q15 Q16: library part "MOSFET N", "MOSFET N"
Q9 Q10 Q19 Q20 Q21 Q25: library part NPN, "NPN Bipolar Transistor", Code_JEDEC=TO-226-AA, LatestRevisionDate=17-Jul-2002, LatestRevisionNote="Re-released for DXP Platform.", PackageReference=TO-226, Published=8-Jun-2000, Publisher="Altium Limited"
Q22 Q23: library part OEM_Diodes_MMBT4403
Q24: library part MOSFET-P, "P-Channel MOSFET", LatestRevisionDate=17-Jul-2002, LatestRevisionNote="Re-released for DXP Platform.", PackageReference=E3, PackageVersion=1995/1996, Published=8-Jun-2000, Publisher="Altium Limited"
R1 R2 R3 R6 R7 R8 R9 R10 R11 R12 R13 R18 R19 R20 R21 R22 R23 R24 R25 R26 R29 R30 R36: library part RES-SOP, "贴片电阻 5%"
R4 R5 R14 R15 R16 R17 R27 R28 R31 R32 R33 R34 R35 R37 R38 R43 R44 R45 R48 R49 R50 R55 R56 R59 R67 R68 R69 R70 R71 R72 R73 R74 R76 R80 R86 R87 R88 R89: library part Res1, "Resistor", LatestRevisionDate=17-Jul-2002, LatestRevisionNote="Re-released for DXP Platform.", PackageReference=AXIAL-0.3, Published=8-Jun-2000, Publisher="Altium Limited"
R39 R40 R41 R42: library part R, "贴片电阻 1%"
R46 R47 R51 R52 R53 R54: library part RES2, "贴片电阻 5%"
R57 R58 R60 R61 R93: library part RESISTOR_0, Part Reference=R70, PCB Footprint=R0402, SIGNAL_MODEL=DEFAULT_RESISTOR_200OHM_1_2
R62 R63 R78 R79: library part RES0, "贴片电阻 5%"
R64 R81: library part Resistor_0603, Package=0603, PartNumber=RC0603FR-0716K9L, Power Rating=[power], TempCo=[tempco], Tolerance=tol, SupplierDescription="RES SMD 16.9K OHM 1% 1/10W 0603"
R65 R66 R82 R83: library part Resistor_0603, Package=0603, PartNumber=RC0603FR-071KL, Power Rating=[power], TempCo=[tempco], Tolerance=tol, SupplierDescription="RES SMD 1K OHM 1% 1/10W 0603"
R75 R77 R90 R91 R92: library part R
R84 R85: library part R, "R"
TVS1 TVS2 TVS3 TVS4 TVS5 TVS6 TVS7 TVS8: library part TVS-1, "TVS"
U1 U3 U6 U7 U8 U9 U13: "Sia430DJ"
U2 U4: library part Si7997DP, "Sia430DJ"
U5: JLCPCB Part Class="Extended Part", Manufacturer=TI(德州仪器), Add into BOM=yes, Convert to PCB=yes, Datasheet=https://www.ti.com/cn/lit/gpn/bq24650, Device=BQ24650RVAR, LCSC Part Name=BQ24650RVAR, Manufacturer Part=BQ24650RVAR, Supplier=LCSC, Supplier Footprint=VQFN-16-EP(3.6x3.6), Supplier Part=C53712, Symbol=BQ24650RVAR
U10: library part STM32F405RG, "MCU"
U11: library part AD8615
U12: library part LM22676MR-5.0
Y1: library part XTAL, "晶振"
BEEP1: PCB DECAL=BEEP-9.5X5.5
SW1 SW2 SW3 SW4: Part Reference=SW2, PCB Footprint=KEY_3X6

## Free pads (board coordinates)
  round 5 hole 3.5: 1(15.084,3.888) 1(15.084,79.888) 1(146.084,3.888) 1(146.084,79.888)

## Via types
v1: diameter 0.508, hole 0.305, Top Layer to Bottom Layer, tented both sides, 2167 vias
v2: diameter 0.762, hole 0.508, Top Layer to Bottom Layer, tented both sides, 67 vias
v3: diameter 1.016, hole 0.635, Top Layer to Bottom Layer, tented both sides, 3 vias
v4: diameter 1.016, hole 0.762, Top Layer to Bottom Layer, tented both sides, 2 vias
v5: diameter 1.397, hole 1.016, Top Layer to Bottom Layer, tented both sides, 2 vias
v6: diameter 1.143, hole 0.762, Top Layer to Bottom Layer, tented both sides, 2 vias
v7: diameter 1.5, hole 1, Top Layer to Bottom Layer, 1 vias
v8: diameter 1.524, hole 1.016, Top Layer to Bottom Layer, tented both sides, 1 vias
v9: diameter 1.27, hole 0.762, Top Layer to Bottom Layer, tented both sides, 1 vias

## Nets (pads, with @x,y where several pads share a name; then routed paths per layer and width w, separated by ;. In a path a pad name is that pad's centre, name@x,y a point inside that pad or via, vN(x,y) a via of type N, cw(c..) or ccw(c..) an arc to the next point about the centre after c; other vN are vias at no path point)
3.3V_MCU: C2.2 C3.2 C18.2 C19.2 C20.2 C21.2 C22.2 C23.2 D29.1 FB1.2 L1.2 P13.1 Q4.1 Q5.1 R39.2 R42.1 R44.1 R52.2 R53.1 R90.2 R91.2 U10.19 U10.32 U10.48 U10.64 U11.5 | length 206.3
  Top Layer w0.203: v6(74.295,68.529) v6@74.395,68.529 ; v6@74.395,68.429 v6@74.395,68.529 ; R90.2@78.945,70.612 R90.2@79.121,70.788 79.121,70.129 79.399,69.851 R91.2@79.399,68.885 74.884,68.885 74.528,68.529 v6@74.395,68.529 ; R39.2@81.281,38.989 v1(81.281,36.525) 81.281,35.473 Q4.1@81.544,35.21 ; R42.1@84.15,32.36 v1(85.242,32.36) Q5.1@86.319,32.36 ; R44.1@94.336,34.925 v1@95.199,34.925
  Top Layer w0.254: U11.5@43.947,75.143 v1(46.364,75.143) ; C22.2@53.9,61.773 55.245,61.773 56.434,60.584 U10.19@58.123,60.584 v1(60.229,60.584) ; C20.2@54.103,52.857 55.245,52.857 56.472,54.084 U10.32@58.123,54.084 v4(60.165,54.084) ; v1(54.356,71.044) 56.947,71.044 R53.1@56.972,71.018 ; v1(68.936,51.587) 68.932,51.584 U10.48@68.123,51.584 68.123,50.825 69.266,49.682 C19.2@69.266,48.566 72.644,48.566 C2.2@72.746,48.465 ; 69.164,61.584 U10.64@70.623,61.584 73.294,61.584 73.609,61.9 C18.2@74.294,61.9 C18.2@74.395,62.001 ; R52.2@78.637,53.975 78.637,53.186 78.384,52.934 v1(78.384,51.587) 78.384,48.235 81.281,45.338 R39.2@81.281,38.989
  Top Layer w0.508: v4(60.165,54.084) 60.165,54.755 61.112,55.702 61.112,59.7 v1(60.229,60.584) 61.229,61.584 69.164,61.584 ; C18.2@74.395,62.001 C3.2@74.395,63.602 C21.2@74.395,65.227 v6@74.395,68.429
  Top Layer w0.762: v9(42.24,47.676) 42.24,38.303 44.831,35.712 FB1.2@44.831,31.718 46.768,31.718 47.447,31.039 47.447,28.905 43.002,24.46 D29.1@43.002,22.428
  Bottom Layer w0.203: v1(81.281,36.525) 81.281,34.187 83.109,32.36 v1(85.242,32.36) 92.634,32.36 v1(95.225,34.95)
  Bottom Layer w0.254: v1(46.364,75.143) 50.463,71.044 v1(54.356,71.044) 54.356,66.457 v1(60.229,60.584)
  Bottom Layer w0.381: v1(78.384,51.587) 79.149,51.587 79.517,51.956 82.382,51.956 82.395,51.943 83.845,51.943 84.785,51.003 P13.1@86.563,51.003
  Bottom Layer w0.762: v9(42.24,47.676) 46.203,51.638 59.588,51.638 60.165,52.215 v4(60.165,54.084) 62.629,54.084 65.126,51.587 v1(68.936,51.587) v1(78.384,51.587)
air_12V: 12V.1 U3.5 U3.6 U3.7 U3.8
  other v2: 189.818,65.637 189.818,66.907 186.008,69.447 187.278,69.447 189.818,69.447 184.738,71.987 187.278,71.987 189.818,71.987 192.358,71.987 194.898,71.987 197.438,71.987 186.008,73.257 188.548,73.257 191.088,73.257 193.628,73.257 184.738,74.527 187.278,74.527 189.818,74.527 192.358,74.527 194.898,74.527 197.438,74.527
air_FREQ: R44.2 R45.2 U10.58 | length 44.2
  Top Layer w0.203: U10.58@70.623,58.584 71.718,58.584 72.822,57.48 75.971,57.48 76.886,56.566 76.886,48.184 79.578,45.491 v1(79.578,43.256) ; R45.2@92.836,33.096 R44.2@92.836,34.925 v1(92.836,41.911)
  Bottom Layer w0.203: v1(79.578,43.256) 91.491,43.256 v1(92.836,41.911)
air_pwr: R37.2 R38.1 U10.8 | length 142.4
  Top Layer w0.203: v1(64.592,65.532) 64.623,65.501 U10.8@64.623,64.084
  Top Layer w0.254: v1(160.393,72.071) 160.393,68.139 161.751,66.78 169.981,66.78 171.505,68.304 171.505,75.01 172.8,76.305 180.42,76.305 181.69,75.035 181.69,70.971 181.309,70.59 R38.1@179.836,70.59 179.836,68.534 R37.2@179.912,68.458
  Bottom Layer w0.203: v1(64.592,65.532) 127.051,65.532 129.083,67.564 145.587,67.564 150.094,72.071 v1(160.393,72.071)
air_RXD: Q5.3 R42.2 U10.16 | length 76.2
  Top Layer w0.203: 49.708,61.036 49.708,60.122 ; v1(51.486,43.51) 49.708,45.288 49.708,60.122 ; U10.16@60.623,64.084 51.181,64.084 49.708,62.611 49.708,60.122 ; v1(77.648,40.716) 77.648,35.077 78.257,34.468 ; 77.978,34.747 78.257,34.468 ; Q5.3@87.427,34.702 86.238,34.702 85.396,33.86 R42.2@84.15,33.86 78.866,33.86 78.257,34.468
  Bottom Layer w0.203: v1(51.486,43.51) 52.883,42.113 75.006,42.113 76.352,40.767 v1@77.648,40.767
air_TXD: Q4.2 R39.1 U10.17 | length 63.8
  Top Layer w0.203: v1(51.994,44.907) 50.114,46.787 50.114,62.509 51.079,63.475 57.15,63.475 58.123,62.502 U10.17@58.123,61.584 ; v1(79.553,41.986) 79.781,41.758 R39.1@79.781,38.989 79.781,35.347 Q4.2@79.644,35.21
  Bottom Layer w0.203: v1(51.994,44.907) 54.051,42.85 75.692,42.85 75.768,42.774 ; 75.794,42.799 76.606,41.986 v1(79.553,41.986)
BAT_CHARGE: cooler1.1 cooler2.1 D1.2 D2.2 D3.2 D6.2 D7.2 D8.2 H1+.1 H2+.1 H3+.1 H4+.1 P3.1 P6.1 P7.1 P8.1 Q1.3 Q2.3 Q3.3 Q11.3 Q12.3 Q13.3 R4.2 R5.2 R27.2 R28.2 R35.2 T1.1 U3.1 U3.3 U13.1 U13.3 | length 326.5
  Top Layer w0.254: v1(171.555,67.136) R35.2@172.214,67.136 ; v1(175.621,38.483) R5.2@175.621,39.12 ; R28.2@175.672,30.255 v1(176.308,30.255) ; v1(176.027,49.202) R27.2@176.027,49.839 ; v1(176.688,62.512) R4.2@176.688,63.148
  Top Layer w0.381: Q3.3@142.228,52.135 148.263,52.135 D3.2@149.153,51.246 ; Q13.3@142.761,38.546 147.501,38.546 D8.2@148.543,37.504 ; Q1.3@143.218,63.794 148.314,63.794 D1.2@148.721,63.387
  Top Layer w0.508: P3.1@124.692,69.93 P3.1@124.769,69.854 ; D8.2@148.543,37.504 v1(151.251,37.504) ; D1.2@148.721,63.387 v1(151.429,63.387) ; D3.2@149.153,51.246 v1(151.86,51.246) ; Q2.3@158.941,62.854 163.249,62.854 D2.2@164.418,61.685 v1(167.1,61.685) ; Q12.3@158.966,39.613 164.433,39.613 165.332,38.713 D7.2@165.332,37.606 v1(167.374,37.606) ; Q11.3@159.068,51.805 164.28,51.805 165.231,50.855 D6.2@165.231,50.052 v1(167.374,50.052)
  Top Layer w1.016: U13.3@21.987,74.615 21.987,77.257 22.403,77.673 22.504,77.673 ; 22.276,77.445 22.504,77.673 ; v8(23.158,80.159) 23.158,78.327 22.504,77.673 ; 23.825,77.648 24.527,76.946 U13.1@24.527,74.615 ; 23.825,77.673 22.504,77.673
  Bottom Layer w0.254: 173.637,49.202 v1(176.027,49.202) ; 173.84,38.483 v1(175.621,38.483) ; 174.146,30.255 v1(176.308,30.255) ; 174.148,62.512 v1(176.688,62.512)
  Bottom Layer w0.508: v1(151.251,37.504) 168.167,37.504 ; v1(151.429,63.387) 168.263,63.387 ; v1(151.86,51.246) 167.888,51.246
  Bottom Layer w1.016: v8(23.158,80.159) 26.768,83.769 110.109,83.769 113.194,80.684 113.194,80.252 P7.1@113.436,80.01 ; P8.1@113.157,70.307 113.157,79.731 P7.1@113.436,80.01 ; P3.1@124.667,70.108 124.638,70.137 P6.1@124.638,79.908 124.638,83.508 124.719,83.589 ; cooler1.1@134.696,70.46 134.518,70.637 cooler2.1@134.518,79.908 134.518,83.365 134.743,83.589 ; v5(167.212,68.177) 167.212,78.965 162.587,83.589 134.743,83.589 ; P7.1@113.436,80.01 116.383,80.01 119.962,83.589 124.719,83.589 ; 124.719,83.589 134.743,83.589
BAT_CHARGE_O: C8.2 C9.2 C10.2 C12.1 F1.2 F2.2 F4.2 R70.2 R73.1 U5.9 | length 73.4
  Top Layer w0.203: C12.1@117.123,59.618 118.368,59.618 ; U5.9@117.137,56.322 117.511,56.322 118.698,57.509 118.698,59.287 118.368,59.618 ; C10.2@151.591,28.349 C8.2@149.813,28.349 147.723,28.349 146.125,26.75 136.656,26.75 130.941,26.75 129.62,28.071 129.62,57.509 127.309,59.821 R73.1@124.438,59.821 124.438,60.405 124.032,60.811 121.492,60.811 121.238,60.557 C9.2@121.238,59.568 121.189,59.618 118.368,59.618
  Bottom Layer w0.203: F4.2@136.533,18.698 F4.2@136.533,19.862
  other v1: 150.702,28.349
BAT_CHARGE_SW: F1.1 F2.1 F4.1 T2.1 T7.1 T9.1 VBAT.1
BATTERY: R50.1 U11.1 U11.4 | length 35.8
  Top Layer w0.203: v1(38.938,58.547) 38.938,69.037 40.869,70.968 43.002,70.968 43.947,71.912 U11.4@43.947,73.143 43.012,73.143 42.621,73.533 42.621,74.955 42.434,75.143 U11.1@41.347,75.143 ; v1(51.333,58.547) 51.537,58.344 R50.1@52.476,58.344
  Bottom Layer w0.203: v1(38.938,58.547) v1(51.333,58.547)
ble_rxd: P10.3 U10.52 | length 36.4
  Top Layer w0.203: v1(62.586,60.69) 65.599,60.69 66.04,60.249 66.04,57.252 67.707,55.584 U10.52@70.623,55.584
  Bottom Layer w0.203: P10.3@51.918,80.745 51.918,78.511 53.899,76.53 53.899,73.533 57.102,70.33 57.102,66.174 v1(62.586,60.69)
ble_txd: P10.2 U10.51 | length 36.3
  Top Layer w0.203: v1(62.623,59.978) 64.959,59.978 65.583,59.355 65.583,57.074 67.572,55.084 U10.51@70.623,55.084
  Bottom Layer w0.203: P10.2@54.458,80.745 54.458,73.508 57.48,70.485 57.48,66.478 63.271,60.687 63.271,60.154 63.096,59.978 v1(62.623,59.978)
BOOT0: P14.2 R54.1 U10.60 | length 11
  Top Layer w0.203: U10.60@70.623,59.584 R54.1@74.164,59.584 ; R54.1@74.168,59.588 74.168,58.699 74.422,58.445 77.572,58.445 78.613,59.487 P14.2@80.162,59.487
cool1: R1.2 R2.2 U10.21 | length 112.7
  Top Layer w0.203: U10.21@58.123,59.584 59.015,59.584 v1(60.165,58.434)
  Top Layer w0.381: v1(156.188,61.929) 156.366,61.751 v1(159.16,61.751)
  Top Layer w0.508: v1(140.259,66.878) 148.953,66.878 152.14,63.692 152.14,61.97 v1(152.099,61.929) ; R1.2@140.288,62.972 v1@140.288,66.849
  Bottom Layer w0.203: v1(60.165,58.434) 63.971,58.434 70.383,64.846 127.574,64.846 129.581,66.853 140.233,66.853 v1(140.259,66.878)
  Bottom Layer w0.508: v1(152.099,61.929) v1(156.188,61.929) ; v1(159.16,61.751) R2.2@159.77,61.751
COOL2: R3.2 R18.2 U10.55 | length 102.3
  Top Layer w0.203: v1(69.038,57.067) 69.055,57.084 U10.55@70.623,57.084
  Top Layer w0.381: R3.2@137.604,50.94 v1(137.604,52.234) 138.562,53.191 150.448,53.191 v1(151.515,52.125) ; R18.2@156.087,50.831 v1(156.087,52.125)
  Bottom Layer w0.203: v1(69.038,57.067) 69.038,58.613 71.91,61.485 72.079,61.485 72.147,61.417 134.595,61.417 137.604,58.407 v1(137.604,52.234)
  Bottom Layer w0.381: v1(151.515,52.125) v1(156.087,52.125)